# Altium PCB ie-track-kit-pwr-1.PcbDoc (part 1 of 2)
Units mm, origin at the board's own origin, x right, y up, seen from the top; angles counter-clockwise.
Board outline 60.2 x 170.1 mm, 2 copper layers (Top Layer, Bottom Layer), stack 1.571 mm thick; 140 components, 79 nets, 395 pads, 262 vias.
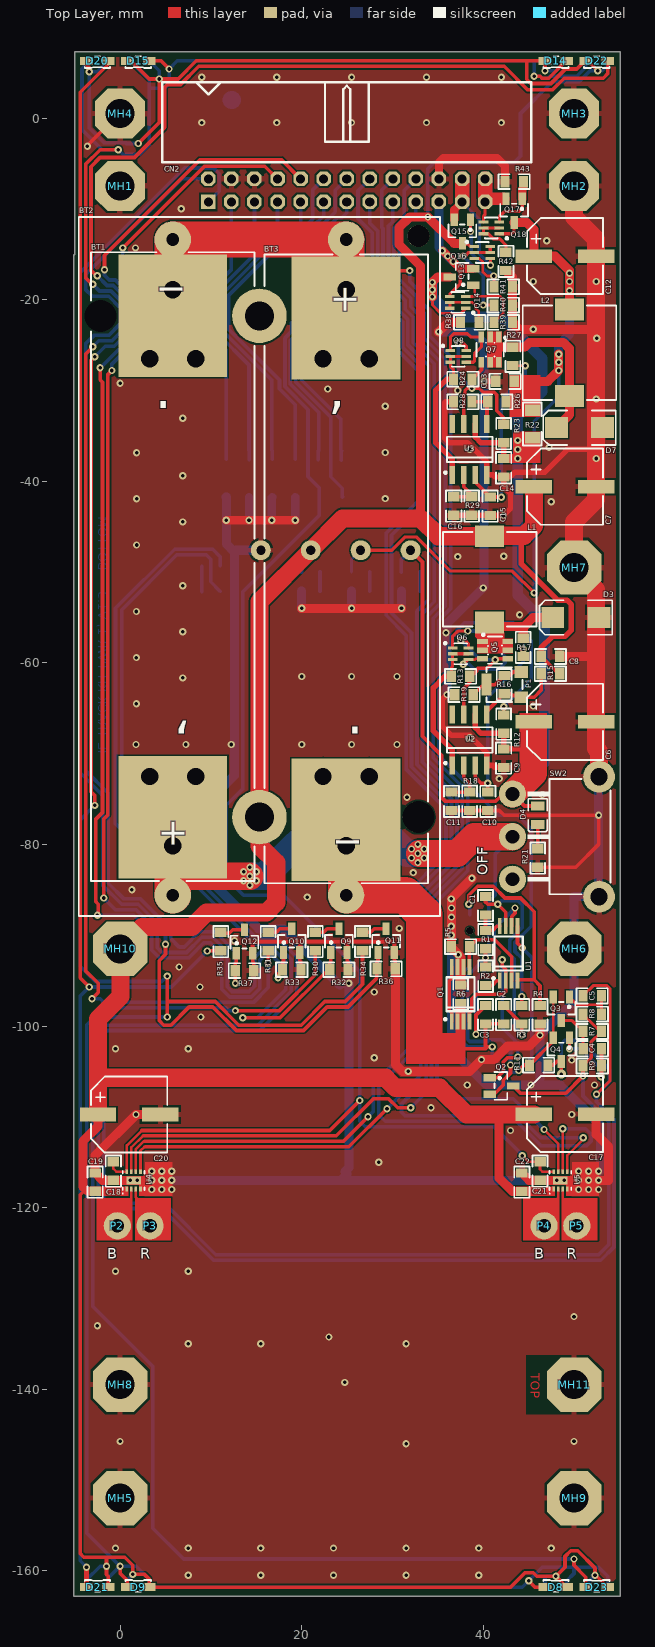
[diagram p0: Top Layer view]
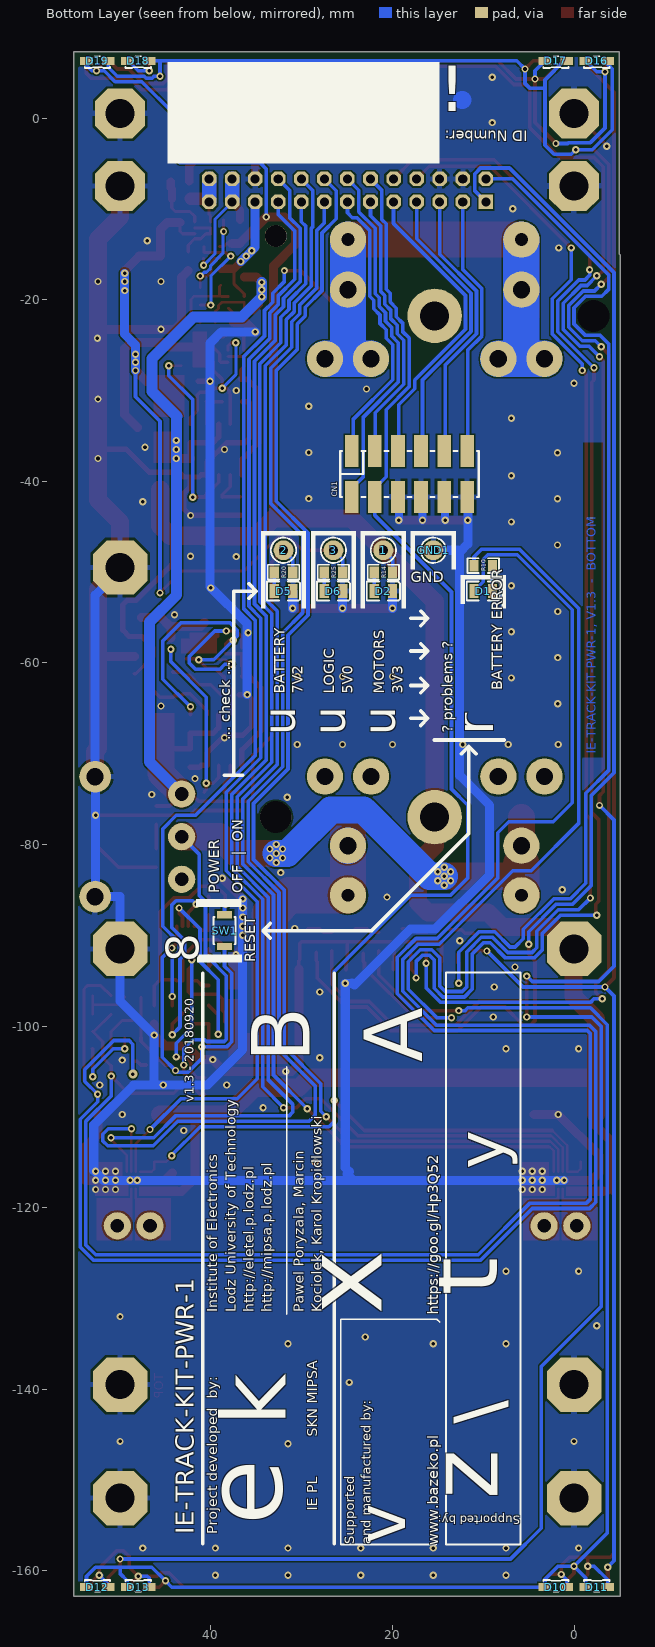
[diagram p1: Bottom Layer view, seen from below]

## Layer stack, top to bottom
Top Solder: solder mask 0.0102, Solder Resist, Dk 3.5
Top Layer: signal copper 0.0356
Dielectric 1: dielectric 1.5, FR-4, Dk 4.8
Bottom Layer: signal copper 0.0356
Bottom Solder: solder mask 0.0102, Solder Resist, Dk 3.5

## Board outline
-5.1,-162.8 55.1,-162.8 55.1,-15.1 55.1,7.3 -5,7.3 -5,-15 -5.1,-15.1

## Design rules (kind name [scope] priority, off if disabled: settings)
Clearance Clearance_1 [OnLayer('Mechanical 3')] p1: gap=0.5 ignorepadtopadclearanceinfootprint=FALSE
Clearance [All] p2: gap=0.2 ignorepadtopadclearanceinfootprint=FALSE
ComponentClearance [All] p1: gap=0.2 collisioncheckmode=3 verticalgap=0.2 showdistances=FALSE
HoleSize [All] p1: absolutevalues=TRUE maxlimit=3.2 minlimit=0.025 maxpercent=80.000 minpercent=20.000
MinimumSolderMaskSliver [All] p1: minsoldermaskwidth=0.2
PolygonConnect [All] p1: thpad.connectstyle=Relief thpad.reliefconductorwidth=0.6 thpad.reliefentries=4 thpad.polygonreliefangle="90 Angle" thpad.airgapwidth=0.254 smdpad.connectstyle=Relief smdpad.reliefconductorwidth=0.6 smdpad.reliefentries=4 smdpad.polygonreliefangle="90 Angle" smdpad.airgapwidth=0.254 via.connectstyle=Direct via.reliefconductorwidth=0.6 via.reliefentries=4 via.polygonreliefangle="90 Angle" via.airgapwidth=0.254
RoomDefinition "[08] - MAIN CONNECTOR" [InComponentClass('[08] - MAIN CONNECTOR')] p1: confinementstyle=ConfineIn formatcopy=TRUE lockcomponents=FALSE outline -26.7,-189.2 77.4,-189.2 77.4,40.1 -26.7,40.1
RoomDefinition "[06] - MOTOR DRIVERS" [InComponentClass('[06] - MOTOR DRIVERS')] p2: confinementstyle=ConfineIn formatcopy=TRUE lockcomponents=FALSE outline -29.9,-191.7 92.6,-191.7 92.6,44.5 -29.9,44.5
RoomDefinition "[05] - POWER" [InComponentClass('[05] - POWER')] p3: confinementstyle=ConfineIn formatcopy=TRUE lockcomponents=FALSE outline -30.5,-193 102.2,-193 102.2,42 -30.5,42
RoomDefinition "[04] - BATTERIES WITH PROTECTION" [InComponentClass('[04] - BATTERIES WITH PROTECTION')] p4: confinementstyle=ConfineIn formatcopy=TRUE lockcomponents=FALSE outline -24.2,-191.1 72.3,-191.1 72.3,41.3 -24.2,41.3
RoomDefinition "[07] - LIGHTS" [InComponentClass('[07] - LIGHTS')] p5: confinementstyle=ConfineIn formatcopy=TRUE lockcomponents=FALSE outline -22.4,-192.3 73.1,-192.3 73.1,36.5 -22.4,36.5
RoutingVias [All] p1: holewidth=0.4 width=1 viastyle="Through Hole" minholewidth=0.3 minwidth=0.6 maxholewidth=0.4 maxwidth=1
SilkToSilkClearance [All] p1: silktosilkclearance=0.1
SilkToSolderMaskClearance [IsPad] p1: minsilkscreentomaskgap=0 clearancetoexposedcopper=TRUE
SolderMaskExpansion [All] p1: expansion=0.102
Width [All] p1: maxlimit=4 minlimit=0.28 preferedwidth=0.6
25 further rules are at their usual default settings.

## Classes and differential pairs
component class "[07] - LIGHTS": CN1 D8 D9 D10 D11 D12 D13 D14 D15 D16 D17 D18 D19 D20 D21 D22 D23 Q9 Q10 Q11 Q12 R30 R31 R32 R33 R34 R35 R36 R37
component class "[05] - POWER": 1 2 3 C6 C7 C8 C9 C10 C11 C12 C13 C14 C15 C16 D2 D3 D4 D5 D6 D7 GND1 L1 L2 P1 Q5 Q6 Q7 Q8 R12 R13 R14 R15 R16 R17 R18 R19 R20 R21 R22 R23 R24 R25 R26 R27 R28 R29 SW2 U2 U3
component class "[04] - BATTERIES WITH PROTECTION": BT1 BT2 BT3 C1 C2 C3 C4 C5 D1 Q1 Q2 Q3 Q4 R1 R2 R3 R4 R5 R6 R7 R8 R9 R10 R11 SW1 U1
component class "[06] - MOTOR DRIVERS": C17 C18 C19 C20 C21 C22 C23 P2 P3 P4 P5 U4 U5
component class "[03] - BLOCK DIAGRAM": MH1 MH2 MH3 MH4 MH5 MH6 MH7 MH8 MH9 MH10 MH11
component class "[08] - MAIN CONNECTOR": CN2 Q13 Q14 Q15 Q16 Q17 Q18 Q? R38 R39 R40 R41 R42 R43

## Components (designator, comment, footprint, x,y, rotation, side; value= is the part's Value field where it differs from the comment)
1 "Keystone 5000 Test Point (RED)" Keystone_5000_RED 21,-47.6 r270 bottom
2 "Keystone 5000 Test Point (RED)" Keystone_5000_RED 32,-47.6 r270 bottom
3 "Keystone 5000 Test Point (RED)" Keystone_5000_RED 26.5,-47.6 r270 bottom
BT1 "18650 (2x KEYSTONE 54 Holder) Battery" KEYSTONE_54_W_18650 5.8,-49.52 r90 top
BT2 "KEYSTONE 1049" KEYSTONE_1049_W_18650 15.35,-49.49 r90 top
BT3 "18650 (2x KEYSTONE 54 Holder) Battery" KEYSTONE_54_W_18650 24.9,-49.52 r270 top
C1 "220nF" C0805 40.25,-86.75 r270 top
C2 "220nF" C0805 42.25,-98.75 r90 top
C3 "220nF" C0805 40.25,-98.75 r90 top
C4 "22u/10V" C0805 52.016,-102.5 r0 top
C5 "1u/25V" C0805 52,-96.675 r180 top
C6 "220uF/16V" CES_E_8.3x8.3_6.2 49,-66.5 r90 top
C7 "220uF/16V" CES_E_8.3x8.3_6.2 49,-40.6 r90 top
C8 "100n/50V" C0805 47.4,-59.3 r180 top
C9 "1u/16V" C0805 42.25,-70.5 r90 top
C10 "2,2n/50V" C0805 40.5,-75.25 r90 top
C11 "6,8n/50V" C0805 36.5,-75.25 r90 top
C12 "220uF/16V" CES_E_8.3x8.3_6.2 49,-15.2 r90 top
C13 "100n/50V" C0805 42.4,-29 r0 top
C14 "1u/16V" C0805 42.25,-38.516 r90 top
C15 "2,2n/50V" C0805 40.75,-42.75 r90 top
C16 "6,8n/50V" C0805 36.75,-42.734 r90 top
C17 "220uF/16V" CES_E_8.3x8.3_6.2 49,-109.7 r90 top locked
C18 "100nF" C0805 -0.75,-115.975 r90 top locked
C19 "100nF" C0805 -2.75,-117.191 r270 top locked
C20 "220uF/16V" CES_E_8.3x8.3_6.2 1,-109.75 r90 top locked
C21 "100nF" C0805 46.25,-115.975 r90 top locked
C22 "100nF" C0805 44.25,-117.2 r270 top locked
CN1 "QTR-8RC_DIRECT" QTR-8RC_SNAPPED_GOLDPIN_VERTICAL 25,-39.3 r0 top
CN2 "IDC Connector" IDC26_RA_LONG_W_CN 24.96,-7.97 r0 top locked
D1 "RED" LED0805R 10,-52.1 r180 bottom
D2 "LED_YELLOW" LED0805Y 21,-52.1 r180 bottom
D3 "MBRS140T3G" SMB 50.2,-55 r180 top
D4 "RED" LED0805R 46,-76.784 r270 top
D5 "RED" LED0805R 32,-52.1 r180 bottom
D6 "GREEN" LED0805G 26.5,-52.1 r180 bottom
D7 "MBRS140T3G" SMB 50.6,-34.1 r180 top
D8 "KA-2810ASURSK" LED2810 48,-161.4 r180 top locked
D9 "KA-2810ASURSK" LED2810 2,-161.4 r180 top locked
D10 "KA-2810ASURSK" LED2810 2,-161.4 r0 bottom locked
D11 "KA-2810ASURSK" LED2810 -2.5,-161.4 r0 bottom locked
D12 "KA-2810ASURSK" LED2810 52.5,-161.4 r0 bottom locked
D13 "KA-2810ASURSK" LED2810 48,-161.4 r0 bottom locked
D14 "LTW-108DCG-HS10" LED2810 48,5.9 r0 top
D15 "LTW-108DCG-HS10" LED2810 2,5.9 r0 top
D16 "LTW-108DCG-HS10" LED2810 -2.5,5.9 r180 bottom
D17 "LTW-108DCG-HS10" LED2810 2,5.9 r180 bottom
D18 "LTW-108DCG-HS10" LED2810 48,5.9 r180 bottom
D19 "LTW-108DCG-HS10" LED2810 52.5,5.9 r180 bottom
D20 "KA-2810ASESK" LED2810 -2.5,5.9 r0 top
D21 "KA-2810ASESK" LED2810 -2.5,-161.4 r180 top locked
D22 "KA-2810ASESK" LED2810 52.5,5.9 r0 top
D23 "KA-2810ASESK" LED2810 52.5,-161.4 r180 top locked
GND1 "Keystone 5001 Test Point (BLACK)" Keystone_5001_BLACK 15.5,-47.6 r270 bottom
L1 "10uH, 3,45A" PSDB1005 40.7,-50.8 r90 top
L2 "10uH, 3,45A" PSDB1005 49.5,-25.85 r90 top
MH1 "MHOLE 3mm" "3mm screw drill I"#1 0,-7.5 r0 top
MH2 "MHOLE 3mm" "3mm screw drill I"#1 50,-7.5 r0 top
MH3 "MHOLE 3mm" "3mm screw drill I"#1 50,0.5 r0 top
MH4 "MHOLE 3mm" "3mm screw drill I"#2 0,3 r0 top
MH5 "MHOLE 3mm" "3mm screw drill I"#3 0,-152 r0 top
MH6 "MHOLE 3mm" "3mm screw drill I"#3 50,-91.5 r0 top
MH7 "MHOLE 3mm" "3mm screw drill I"#3 50,-49.5 r0 top
MH8 "MHOLE 3mm" "3mm screw drill I"#3 0,-139.5 r0 top
MH9 "MHOLE 3mm" "3mm screw drill I"#3 50,-152 r0 top
MH10 "MHOLE 3mm" "3mm screw drill I"#3 0,-91.5 r0 top
MH11 "MHOLE 3mm" "3mm screw drill I"#3 50,-139.5 r0 top
P1 "10k" 3364W 42.4,-62.4 r90 top
P2 "CablePAD" PADTHT1.5x3mm -0.3,-122 r0 top
P3 "CablePAD" PADTHT1.5x3mm 3.3,-122 r0 top locked
P4 "CablePAD" PADTHT1.5x3mm 46.7,-122 r0 top locked
P5 "CablePAD" PADTHT1.5x3mm 50.3,-122 r0 top locked
Q1 "AO8810" TSSOP8 37.5,-96.5 r180 top
Q2 "IRLML6402" SOT-23 42,-106.6 r270 top
Q3 "BC847B" SOT-23 48.6,-98.1 r180 top
Q4 "BC847B" SOT-23 48.6,-102.6 r180 top
Q5 "AO6401A" SOT-23-6 41.3,-58.6 r270 top
Q6 "BC847BPN" "SOT-323-6 (SOT-363, SC88, SC70-6)" 37.5,-59 r270 top
Q7 "AO6401A" SOT-23-6 40.75,-25.5 r180 top
Q8 "BC847BPN" "SOT-323-6 (SOT-363, SC88, SC70-6)" 37.25,-26.25 r270 top
Q9 "IRLML0040TRPBF" SOT-23 24.1,-90.6 r0 top
Q10 "IRLML0040TRPBF" SOT-23 18.9,-90.6 r0 top
Q11 "IRLML0040TRPBF" SOT-23 29.3,-90.6 r0 top
Q12 "IRLML0040TRPBF" SOT-23 13.7,-90.7 r0 top
Q13 "IRLML6402" SOT-23 37.6,-17.5 r90 top
Q14 "BC857BS" "SOT-323-6 (SOT-363, SC88, SC70-6)" 37.2,-20.3 r90 top
Q15 "IRLML6402" SOT-23 37.7,-12.5 r180 top
Q16 "BC857BS" "SOT-323-6 (SOT-363, SC88, SC70-6)" 39.9,-14.8 r270 top
Q17 "IRLML6402" SOT-23 43.4,-10.2 r180 top
Q18 "BC857BS" "SOT-323-6 (SOT-363, SC88, SC70-6)" 40.9,-12.1 r90 top
R1 "1k" R0805 40.25,-90.484 r90 top
R2 "1k" R0805 40.25,-94.516 r90 top
R3 "1k" R0805 44.25,-98.75 r270 top
R4 "1k" R0805 46.25,-98.75 r270 top
R5 "4M7" R0805 37.5,-91.25 r180 top
R6 "0R" R0805 37.5,-96.5 r270 top
R7 "4k7" R0805 52,-100.6 r180 top
R8 "560k" R0805 52,-98.7 r0 top
R9 "100k" R0805 52,-104.4 r0 top
R10 "470" R0805 10,-49.3 r0 bottom
R11 "0R" R0805 46.1,-104.3 r0 top
R12 "0R050" R0805 42.25,-66.75 r90 top
R13 "1k" R0805 37.5,-61.5 r180 top
R14 "150R" R0805 21,-50 r0 bottom
R15 "2k7 1%" R0805 47.4,-61.2 r0 top
R16 "0R 1%" R0805 42.3,-62.4 r90 top
R17 "22k" R0805 44.4,-58.3 r270 top
R18 "1k" R0805 38.5,-75.25 r270 top
R19 "2k32 1%" R0805 37.884,-63.5 r180 top
R20 "1k" R0805 32,-50 r0 bottom
R21 "1k" R0805 46,-81.5 r270 top
R22 "0R" R1206 45.4,-33.7 r90 top
R23 "0R050" R0805 42.25,-34.75 r90 top
R24 "1k" R0805 37.75,-28.75 r180 top
R25 "560R" R0805 26.5,-50 r0 bottom
R26 "3k0 1%" R0805 41.5,-31.25 r0 top
R27 "22k" R0805 43.25,-26.25 r270 top
R28 "1k 1%" R0805 37.75,-31.25 r180 top
R29 "1k" R0805 38.734,-42.734 r270 top
R30 "56R" R0805 21.5,-90.7 r90 top
R31 "0R" R0805 16.3,-90.7 r90 top
R32 "10k" R0805 24.1,-93.8 r0 top
R33 "10k" R0805 18.9,-93.8 r0 top
R34 "56R" R0805 26.7,-90.7 r90 top
R35 "56R" R0805 11.1,-90.7 r90 top
R36 "10k" R0805 29.3,-93.7 r0 top
R37 "10k" R0805 13.7,-93.9 r0 top
R38 "10k" R0805 38.5,-22.5 r0 top
R39 "47k" R0805 42.2,-22.5 r180 top
R40 "10k" R0805 42.2,-20.6 r180 top
R41 "47k" R0805 42.2,-18.6 r180 top
R42 "10k" R0805 42.5,-15.784 r90 top
R43 "47k" R0805 43.4,-7 r0 top
SW1 "B3U-1000PM-B" B3U-1000PM-B 38.5,-89.5 r270 bottom
SW2 "SL19123" 500SSPXS1M6XEA 43.22,-79.145 r90 top locked
U1 "S-8232" TSSOP8 42.8,-92 r180 top
U2 "NCP3063BDR2G" SO8 38.5,-68.5 r0 top
U3 "NCP3063BDR2G" SO8 38.5,-36.5 r0 top
U4 "DRV8838" "WSON8 (DSG8-1600X900TP)" 1.5,-117 r90 top locked
U5 "DRV8838" "WSON8 (DSG8-1600X900TP)" 48.5,-117 r90 top locked

## Footprints (in the part's own frame and the unit in brackets; to place one, negate y for a bottom-side part, rotate by r counter-clockwise, add the part's x,y. Pads: shape width x height; smd on the part's side, far side on the other; paste and mask are expansions set on the pad)
"3mm screw drill I"#1 [mm]
  oct 5.5x5.5 hole 3.2: 1(0,0)
"3mm screw drill I"#2 [mm]
  oct 5.5x5.5 hole 3.2: 1(0,-2.5)
"3mm screw drill I"#3 [mm]
  oct 6x6 hole 3.2: 1(0,0)
  body extent -2.75,9.75 2.75,15.25, height 4.2
500SSPXS1M6XEA [mm] "E-Switch 500 Series Miniature Slide Switche (TME: Canal Electronic, SL19123)"
  round 3 hole 1.5: 1(-4.7,0) 2(0,0) 3(4.7,0)
  round 3.5 hole 1.9: M(-6.605,-9.53) M(6.605,-9.53)
  silkscreen extent -6.35,-10.79 6.35,-1.65, body extent -6.78,-15.49 6.79,0.7, height 6.8
3364W [mm] "Bourns 3364W SMT open frame cermet trimmer"
  rect 1.3x1.5 smd: 1(-1.397,-1.778) 2(1.397,-1.778)
  rect 2.4x1.1 smd: 3(0,2.032)
  silkscreen extent -1.91,-1.91 1.91,2.03, body extent -1.9,-2.23 1.9,2.27, height 1.01
B3U-1000PM-B [mm] "OMRON Ultra-small Tactile Switch B2U Series"
  rect 0.8x1.7 smd: 1(-1.75,0) 2(1.75,0)
  round 0.8 hole 0.8: M0(0,0)
  silkscreen extent -1.5,-1.2 1.5,1.2, body extent -2,-1.25 2,1.25, height 1.6
C0805 [mil]
  rect 40x50 smd: 1(-40,0) 2(40,0)
  silkscreen extent -68,-33 68,33, body extent -39,-25 39,25, height 31
CES_E_8.3x8.3_6.2 [mm] "SMT Aluminum Electrolytic Capacitor, E Size; base: 8.3x8.3mm, height: 6.2mm"
  rect 1.5x4 smd: 1(0,3.429) 2(0,-3.429)
  silkscreen extent -4.19,-4.19 4.19,4.19, body extent -4.15,-4.5 4.15,4.5, height 6.2
IDC26_RA_LONG_W_CN [mm] "2.54mm, 26 Pin IDC Male Connector, Right Angle"
  rect 1.6x1.6 hole 1: 1(-15.24,-1.27)
  oct 1.6x1.6 hole 1: 2(-15.24,1.27) 3(-12.7,-1.27) 4(-12.7,1.27) 5(-10.16,-1.27) 6(-10.16,1.27) 7(-7.62,-1.27) 8(-7.62,1.27) 9(-5.08,-1.27) 10(-5.08,1.27) 11(-2.54,-1.27) 12(-2.54,1.27) 13(0,-1.27) 14(0,1.27) 15(2.54,-1.27) 16(2.54,1.27) 17(5.08,-1.27) 18(5.08,1.27) 19(7.62,-1.27) 20(7.62,1.27) 21(10.16,-1.27) 22(10.16,1.27) 23(12.7,-1.27) 24(12.7,1.27) 25(15.24,-1.27) 26(15.24,1.27)
  silkscreen extent -20.32,3.1 20.32,11.9, body extent -20.37,-1.64 20.31,21.3, height 9.13
KEYSTONE_54_W_18650 [mm]
  round 4 hole 1.9: 1(-30.62,0) 1(-23,-2.54) 1(-23,2.54) 2(23,-2.54) 2(23,2.54) 2(30.62,0)
  rect 13.5x12 smd: 1(-27.5,0) 2(27.75,0)
  silkscreen extent -34.5,-9 34.75,9, body extent -34.2,-9.05 34.2,9.09, height 19.3
KEYSTONE_1049_W_18650 [mm] "THT double 18650 LiPo Holder"
  round 4 hole 1.4: 1(-36.11,9.55) 2(36.11,9.55) 3(-36.11,-9.55) 4(36.11,-9.55)
  round 6 hole 3.2: M1(-27.5,0) M2(27.7,0)
  round 3.45 hole 3.5: M3(-27.5,-17.505) M4(27.7,17.5)
  round 2.4 hole 2.4: M5(36.5,-17.505)
  silkscreen extent -38.4,-19.9 38.6,19.9, body extent -38.4,-19.89 38.66,19.89, height 18
Keystone_5000_RED [mm] "Red Keystone Electronics 5000 Test Point"
  round 2.2 hole 1: 0(0,0)
  silkscreen extent -1.4,-1.4 1.4,1.39, body extent -1.27,-1.27 1.27,1.27, height 4.57
Keystone_5001_BLACK [mm] "Black Keystone Electronics 5001 Test Point"
  round 2.2 hole 1: 0(0,0)
  silkscreen extent -1.4,-1.4 1.4,1.39, body extent -1.27,-1.27 1.27,1.27, height 4.57
LED0805G [mil]
  rect 40x60 smd: 1(-40,0) 2(40,0)
  silkscreen extent -72,-41 72,41, body extent -40,-25 40,25, height 43
LED0805R [mil]
  rect 40x60 smd: 1(-40,0) 2(40,0)
  silkscreen extent -72,-41 72,41, body extent -40,-25 40,25, height 43
LED0805Y [mil]
  rect 40x60 smd: 1(-40,0) 2(40,0)
  silkscreen extent -72,-41 72,41, body extent -40,-25 40,25, height 43
LED2810 [mm] "SMD 2810 LED case (for e.g. Kingbright KA-2810 series)"
  rect 1.4x0.86 smd: 1(1.2,0.4) 2(-1.2,0.4)
  silkscreen extent -1.4,-0.4 1.4,0.9, body extent -1.4,-0.4 1.4,0.9, height 0.8
PADTHT1.5x3mm [mm]
  round 3 hole 1.5: 0(0,0)
PSDB1005 [mm] "PSDB Series Shielded SMD Power Inductor"
  rect 2.4x3.2 smd: 1(-4.75,0) 2(4.75,0)
  silkscreen extent -5.2,-5.15 5.2,5.15, body extent -5.2,-5.2 5.2,5.2, height 4.85
QTR-8RC_SNAPPED_GOLDPIN_VERTICAL [mm] "QTR-8RC Reflectance Sensor Array"
  rect 1.5x3.5 smd far side: 1(-0.525,2.64) 2(-3.065,2.64) 3(-5.605,2.64) 4(-8.145,2.64) 5(-10.685,2.64) 6(-13.225,2.64) GND(-13.225,-2.44) GND(-10.685,-2.44) GND(-8.145,-2.44) GND(-5.605,-2.44) LEDON(-0.525,-2.44) VCC(-3.065,-2.44)
  body extent -27.82,-3.42 27.77,11.05, height 15.33
R0805 [mil]
  rect 40x50 smd: 1(-40,0) 2(40,0)
  silkscreen extent -68,-32 68,32, body extent -39,-25 39,25, height 31
R1206 [mil]
  rect 50x65 smd: 1(-60,0) 2(60,0)
  silkscreen extent -93,-40 93,40, body extent -63,-31 63,32, height 39
SMB [mm]
  rect 2.5x2.3 smd: 1(-2.54,0) 2(2.54,0)
  silkscreen extent -4,-1.9 4,1.9, body extent -2.7,-1.8 2.7,1.8, height 2.3
SO8 [mm] "Small Outline; 8 Leads; Body Width 3.7 mm; Pitch 1.27 mm"
  rect 0.6x2 smd: 1(-1.905,-2.794) 2(-0.635,-2.794) 3(0.635,-2.794) 4(1.905,-2.794) 5(1.905,2.794) 6(0.635,2.794) 7(-0.635,2.794) 8(-1.905,2.794)
  silkscreen extent -2.79,-2.66 2.5,1.4, body extent -2.4,-2.9 2.4,2.9, height 1.75
SOT-23 [mm]
  rect 0.8x1.4 smd: 1(-0.9,-1.3) 2(0.9,-1.3) 3(0,1.3)
  silkscreen extent -1.52,-0.76 1.52,0.64, body extent -1.46,-1.25 1.46,1.23, height 1
SOT-23-6 [mm] "SOT23-6, AKA: SOT-26 (Diodes), SuperSOT-6 (Fairchild), SOT753 (NXP), TSOP5 (NXP)"
  rect 0.6x1.2 smd mask+0.07: 1(-0.95,-1.4) 2(0,-1.4) 3(0.95,-1.4) 4(0.95,1.4) 5(0,1.4) 6(-0.95,1.4)
  silkscreen extent -1.82,-1.42 1.5,0.76, body extent -1.4,-1.21 1.4,1.21, height 1.09
"SOT-323-6 (SOT-363, SC88, SC70-6)" [mm] "SOT-363; 6 Leads; Body 2.2 x 2.2 mm, inc. leads (LxW max)"
  rect 0.35x1.05 smd: 1(-0.65,-0.875) 2(0,-0.875) 3(0.65,-0.875) 4(0.65,0.875) 5(0,0.875) 6(-0.65,0.875)
  silkscreen extent -1.27,-1.82 1.15,0.7, body extent -1.05,-1.15 1.05,1.15, height 1
TSSOP8 [mm] "JEDEC MO-153 AA (TSSOP-8)"
  rect 0.42x1.78 smd: 1(0.975,3) 2(0.325,3) 3(-0.325,3) 4(-0.975,3) 5(-0.975,-3) 6(-0.325,-3) 7(0.325,-3) 8(0.975,-3)
  silkscreen extent -1.55,-1.88 1.8,2.87, body extent -1.5,-3.23 1.5,3.23, height 1.2
"WSON8 (DSG8-1600X900TP)" [mm] "SON, 8-Leads, Body 2x2mm, Pitch 0.5mm, Thermal Pad 1.6x0.9mm, TI Recommended"
  rect 0.5x0.28 smd paste-0.14 mask+0.07: 1(-0.95,0.75) 2(-0.95,0.25) 3(-0.95,-0.25) 4(-0.95,-0.75) 5(0.95,-0.75) 6(0.95,-0.25) 7(0.95,0.25) 8(0.95,0.75)
  rect 0.9x1.6 smd paste-0.45 mask+0.07: 9(0,0)
  silkscreen extent -1.5,-1.2 1.05,1.25, body extent -1.05,-1.05 1.05,1.05, height 0.8

## Part data
1 2 3: library part "Keystone 5000 Test Point"
BT1 BT3: library part 18650, Published=24-Mar-1999, Publisher="Altium Limited", Revision="July-2002: Re-released for DXP Platform."
BT2: library part "Keystone 1049", "2x 18650 LiPo Acu in the KEYSTONE 1049 Holder", Published=14-Sep-2006
C1 C2 C3 C4 C5 C8 C9 C10 C11 C13 C14 C15 C16 C18 C19 C21 C22: library part Cap, "Capacitor", ComponentLink1Description=datasheet, ComponentLink2Description=supplier
C6 C7 C12 C17 C20: library part "Cap Pol", "Polarized Capacitor", ComponentLink1Description=datasheet, ComponentLink2Description=supplier
CN1: "QTR-8RC Reflectance Sensor Array (Pololu item No. 961)", Published=14-Sep-2006
CN2: library part CN_13x2
D1 D4 D5: library part LED_RED, "RED LED", Published=04-Apr-2006
D2: "YELLOW LED", Published=04-Apr-2006
D3 D7: "Schottky barrier rectifier: 40V, 1A", PackageReference=SMB, Published=22-Nov-2006, Supplier 1=TME, Supplier 2=Farnell, Supplier Part Number 1=MBRS140T3G, Supplier Part Number 2=1467526
D6: library part LED_GREEN, "GREEN LED", Published=04-Apr-2006
GND1: library part "Keystone 5001 Test Point"
L1 L2: library part PSDB1005NT100, "10uH, 20%, 3,45A, PSDB1005N Series Inductor", ComponentLink1Description=datasheet, ComponentLink2Description=supplier, Published=08-Mar-2006, Supplier 1=TME, Supplier Part Number 1=PSDB1005NT100
MH1 MH2 MH3 MH4 MH5 MH6 MH7 MH8 MH9 MH10 MH11: library part MHOLE_3MM, "3mm Mounting Hole"
P1: library part 3364W-1-103E, "3364W-1-103E", ComponentLink1Description=datasheet, ComponentLink2Description=supplier, Published=21-10-2009
P2 P3 P4 P5: "Cable/Wire Soldering PAD", Published=14-Sep-2006
Q1: "Dual Common Drain N-Channel MOSFET: Vds=20V, Rdson<20mR@4,5V, Id=7A", Package Reference="TSOP6 (SOT23-6)", Published=20-Mar-2006, Supplier 1=TME, Supplier Part Number 1=AO8810
Q2 Q13 Q15 Q17: "P-Channel; -20V, -3.7A, 1.3W; HEXFET Power MOS-FET"
Q3 Q4: "NPN General Purpose Transistor (VCE=45V, IC=100mA, HFE=200-450)", PowerRating=250mW, Supplier Part Number 1=BC847B.215, HFE=200-450, IC=100mA, Supplier 1=TME, Supplier 2=TME, Supplier 3=TME, Supplier 4=Farnell, Supplier 5=Farnell, Supplier 6=Farnell, Supplier 7=Farnell, Supplier 8=Farnell, Supplier 9=Farnell, Supplier Part Number 2=BC847B-DIO, Supplier Part Number 3=BC847B.235, Supplier Part Number 4=1562449, Supplier Part Number 5=1081232, Supplier Part Number 6=1081232RL, Supplier Part Number 7=1773608RL, Supplier Part Number 8=2336781, Supplier Part Number 9=1574343, VCEO=45V
Q5 Q7: "P-Channel MOSFET; -60V, -5A, 1.3W;", Supplier 1=TME, Supplier Part Number 1=AO6401A
Q6 Q8: "PNP/NPN General Purpose Transistor (VCE=45V, IC=100mA)", Supplier Part Number 1=BC847BPN.115, Supplier 1=TME, Supplier 2=Farnell, Supplier 3=Farnell, Supplier 4=Farnell, Supplier Part Number 2=2336824, Supplier Part Number 3=1081233RL, Supplier Part Number 4=1081233
Q9 Q10 Q11 Q12: "N-Channel; 40V, 3.6A, 1,25W; HEXFET Power MOS-FET", Supplier Part Number 1=1831088RL, Supplier 1=Farnell, Supplier 2=TME, Supplier 3=Farnell, Supplier 4=Farnell, Supplier Part Number 2=IRLML0040TRPBF, Supplier Part Number 3=1829136, Supplier Part Number 4=1831088
Q14 Q16 Q18: "2xPNP General Purpose Transistor (VCE=-45V, IC=-100mA)"
R1 R2 R3 R4 R5 R6 R7 R8 R9 R10 R11 R12 R13 R14 R15 R16 R17 R18 R19 R20 R21 R22 R23 R24 R25 R26 R27 R28 R29 R30 R31 R32 R33 R34 R35 R36 R37 R38 R39 R40 R41 R42 R43: library part Res, "Resistor", ComponentLink1Description=datasheet, ComponentLink2Description=supplier, Published=19-Feb-2006
SW1: "OMRON Ultra-small Tactile Switch - 12V/50mA"
SW2: "Canal Electronic SPDT AC: 3A/250V, DC: 6A/28V", Supplier 1=TME, Supplier Part Number 1=SL19123
U1: "Battery Protection IC For 2-Serial-Cell Pack"
U2 U3: "DC-DC Converter NCP3063BDR2G (Farnell 1547126)", Supplier Part Number 1=1547126, PackageReference=SO8, Published=22-Nov-2006, Supplier 1=Farnell, Supplier 2=Farnell, Supplier 3=Farnell, Supplier Part Number 2=2126136, Supplier Part Number 3=1547126RL
U4 U5: "Low-Voltage H-Bridge Driver", Supplier Part Number 1=2420232, Published=14-Sep-2006, Supplier 1=Farnell, Supplier 2=Farnell, Supplier Part Number 2=2542736
D8 D9 D10 D11 D12 D13 D14 D15 D16 D17 D18 D19 D20 D21 D22 D23: Published=04-Apr-2006

## Via types
v1: diameter 0.8, hole 0.4, Top Layer to Bottom Layer, tented both sides, 261 vias
v2: diameter 1, hole 0.4, Top Layer to Bottom Layer, tented both sides, 1 vias

## Nets (pads, with @x,y where several pads share a name; then routed paths per layer and width w, separated by ;. In a path a pad name is that pad's centre, name@x,y a point inside that pad or via, vN(x,y) a via of type N, cw(c..) or ccw(c..) an arc to the next point about the centre after c; other vN are vias at no path point)
5V0: 3.0 C12.1 C13.2 L2.2 Q17.3 Q18.1 R22.2 R25.1 R26.2 | length 86.1
  Top Layer w0.35: 3.0@26.5,-47.6 29.914,-47.6 31.389,-46.125 32.611,-46.125 36.386,-49.9 43.2,-49.9 v1(45.6,-52.3) ; Q18.1@41.775,-12.75 43.121,-12.75 43.4,-12.471 Q17.3@43.4,-11.5
  Top Layer w1: Q17.3@43.4,-11.5 44.8,-11.5 45.571,-12.271 C12.1@45.571,-15.2 47.9,-15.2 49.5,-16.8 v1(49.5,-17.1) v1(49.5,-18) v1(49.5,-19) L2.2@49.5,-21.1 ; C13.2@43.416,-29 47.1,-29 v1(48.3,-27.8) v1(48.3,-26.9) v1(48.3,-26)
  Bottom Layer w0.35: R25.1@25.484,-50 25.484,-48.616 3.0@26.5,-47.6
  Bottom Layer w0.4: v1(45.6,-52.3) 45.6,-33.4 48.3,-30.7 v1(48.3,-27.8)
  Bottom Layer w1: v1(48.3,-27.8) v1(48.3,-26.9) v1(48.3,-26) 48.3,-25 49.5,-23.8 v1(49.5,-19) v1(49.5,-18) v1(49.5,-17.1)
7V2: BT1.1 BT2.1 Q2.2 R1.1 R2.2 SW2.2 | length 90.7
  Top Layer w0.4: R2.2@40,-93.25 R2.2@40.25,-93.5 v1(40.25,-92.5) R1.1@40.25,-91.5 R1.1@40,-91.75 ; Q2.2@40.7,-107.5 41.2,-107.5 42.2,-106.5 42.2,-105.984 43,-105.184 v1(43,-104.3)
  Top Layer w3: BT1.1@5.8,-77.02 BT1.1@5.8,-80.14 5.8,-82.2 7.1,-83.5 v1(14.3,-83.5) ; v1@33,-81 37.145,-81 39,-79.145 SW2.2@43.22,-79.145
  Top Layer w4: BT2.1@5.8,-85.6 BT1.1@5.8,-82.2
  Bottom Layer w0.4: v1(43,-104.3) 43,-102.5 42,-101.5 40.669,-101.5 40.469,-101.7 38.527,-101.7 38.3,-101.473 38.3,-94.45 v1(40.25,-92.5) 40.6,-92.15 40.6,-86.3 41.3,-85.6 41.3,-81.065 SW2.2@43.22,-79.145
  Bottom Layer w3: v1(14.3,-83.5) 15.9,-83.5 23.18,-76.22 26.82,-76.22 31.6,-81 v1(32.8,-81)
  other v1: 14.3,-84.5 13.6,-84 15,-84 13.6,-83 15,-83 14.3,-82.5 32.8,-82 32.1,-81.5 33.5,-81.5 32.1,-80.5 33.5,-80.5 32.8,-80
7V2_SW: 2.0 C6.1 C9.2 C14.2 D4.1 Q13.3 Q14.1 R12.1 R20.1 R22.1 R23.1 SW2.3 U2.6 U3.6 | length 147.1
  Top Layer w0.3: v1(34.4,-19.7) 34.4,-20.6 35.3,-21.5 37.525,-21.5 Q14.1@38.075,-20.95
  Top Layer w0.4: 2.0@32,-47.6 33.3,-48.9 33.3,-68.1 35.4,-70.2 35.4,-74.843 35.782,-75.225 41.375,-75.225 41.8,-74.8 42.865,-74.8 SW2.3@43.22,-74.445 44.543,-75.768 D4.1@46,-75.768
  Top Layer w0.6: U2.6@39.135,-65.706 39.135,-67.135 39.766,-67.766 R12.1@42.25,-67.766 C9.2@42.25,-69.484 44.766,-69.484 45.5,-68.75 ; U3.6@39.135,-33.706 39.135,-35.135 39.766,-35.766 R23.1@42.25,-35.766 C14.2@42.25,-37.5 ; v1(43.8,-37.5) v1@43.8,-37.3
  Top Layer w1: v1(34.4,-19.7) v1(34.4,-18.9) v1(34.4,-18.1) 35,-17.5 Q13.3@36.3,-17.5 ; C14.2@42.25,-37.5 v1(43.8,-37.5) ; v1@43.8,-37.3 v1(43.8,-36.5) v1(43.8,-35.5)
  Top Layer w3: SW2.3@43.22,-74.445 45.5,-72.165 45.5,-68.75
  Bottom Layer w0.4: R20.1@30.984,-50 30.984,-48.616 2.0@32,-47.6
  Bottom Layer w1.2: v1(34.4,-18.1) 34.4,-18.7 v1(34.4,-18.9) v1(34.4,-19.7) 36.6,-21.9 41.9,-21.9 46.5,-26.5 46.5,-30.1 43.75,-32.85 43.8,-32.9 v1(43.8,-35.5) v1(43.8,-36.5) v1(43.8,-37.5) 43.8,-52.55 46.75,-55.5 46.75,-70.915 SW2.3@43.22,-74.445
EN_LEFT: CN2.18 U4.5 | length 141.4
  Top Layer w0.28: U4.5@2.25,-116.05 2.25,-113.729 2.679,-113.3
  Top Layer w0.4: 2.796,-113.3 25.1,-113.3 25.2,-113.3 v1(29.4,-109.1)
  Bottom Layer w0.4: v1(29.4,-109.1) 33.1,-105.4 33.1,-85.554 36.5,-82.154 36.5,-74.994 32.7,-71.194 32.7,-54.3 34,-53 34,-27.294 31.7,-24.994 31.7,-22.194 30.8,-21.294 30.8,-20.346 28.96,-18.506 28.96,-12.16 28.8,-12 28.8,-7.94 CN2.18@30.04,-6.7
EN_RIGHT: CN2.17 U5.5 | length 132.8
  Top Layer w0.28: U5.5@49.25,-116.05 49.25,-114.25 51,-112.5 v1(51,-112.3)
  Bottom Layer w0.4: CN2.17@30.04,-9.24 30.04,-11.411 29.56,-11.891 29.56,-18.257 31.4,-20.097 31.4,-21.046 32.3,-21.946 32.3,-24.746 34.6,-27.046 34.6,-53.282 33.3,-54.582 33.3,-70.946 37.1,-74.746 37.1,-82.403 33.7,-85.803 33.7,-105.9 31,-108.6 31,-109.5 31.4,-109.9 43.9,-109.9 46.3,-112.3 v1(51,-112.3)
FB_3V3: P1.1 R15.1 R16.1 U2.5 | length 9.5
  Top Layer w0.4: U2.5@40.405,-65.706 40.405,-65.311 R16.1@42.3,-63.416 43.016,-63.416 43.2,-63.6 43.981,-63.6 P1.1@44.178,-63.797 45.603,-63.797 46.4,-63 46.384,-62.984 R15.1@46.384,-61.2
FB_5V0: R26.1 R28.1 U3.5 | length 4.2
  Top Layer w0.4: R28.1@38.766,-31.25 R26.1@40.484,-31.25 40.405,-31.329 U3.5@40.405,-33.706
GND: C6.2 C7.2 C8.1 C9.1 C10.1 C11.1 C12.2 C13.1 C14.1 C15.1 C16.1 C17.2 C18.1 C19.1 C20.2 C21.1 C22.1 CN1.GND CN2.4 CN2.6 CN2.22 D2.2 D3.1 D5.2 D6.2 D7.1 GND1.0 MH1.1 MH2.1 MH3.1 MH4.1 MH5.1 MH6.1 MH7.1 MH8.1 MH9.1 MH11.1 Q1.6 Q1.7 Q9.2 Q10.2 Q11.2 Q12.2 R4.2 R5.2 R6.1 R18.2 R19.2 R21.2 R28.2 R29.2 R32.2 R33.2 R36.2 R37.2 R38.1 R39.1 R40.1 R41.1 R42.1 R43.1 SW2.M U2.4 U3.4 U4.4 U4.9 U5.4 U5.9 | length 614
  Top Layer w0.28: U4.9@2,-117 2.25,-117.25 U4.4@2.25,-117.95 ; 2.5,-117 2.585,-117.164 ; U5.4@49.25,-117.95 U5.9@49.25,-117.25
  Top Layer w0.4: v1(-3.6,-3.1) -3.6,-3 -0.1,0.5 MH4.1@0,0.5 ; MH5.1@-0.896,-151.42 MH5.1@-0.3,-150.5 ; Q12.2@14.6,-92.1 14.6,-92.9 14.716,-93.016 R37.2@14.716,-93.9 ; Q12.2@14.6,-92 14.6,-90.9 14.8,-90.7 19.8,-90.7 ; Q10.2@19.8,-92 19.8,-92.8 19.916,-92.916 R33.2@19.916,-93.8 ; Q10.2@19.8,-91.9 19.8,-90.7 ; Q9.2@25,-92 25,-92.8 25.116,-92.916 R32.2@25.116,-93.8 ; Q9.2@25,-91.9 25,-90.7 ; R36.2@30.316,-93.7 30.316,-92.816 30.2,-92.7 Q11.2@30.2,-91.9 30.2,-90.9 30,-90.7 25,-90.7 ; C11.1@36.75,-76.266 R18.2@38.5,-76.266 C10.1@40.5,-76.266 41.766,-76.266 42.3,-76.8 v1(52.7,-76.8) 52.7,-80 50.184,-82.516 R21.2@46,-82.516 ; MH3.1@48.5,1 MH3.1@50,2.5 ; 19.8,-90.7 25,-90.7
  Top Layer w0.6: R28.2@36.484,-31.25 35.85,-31.25 35.75,-31.35 35.75,-35.25 36.25,-35.75 38.25,-35.75 40.405,-37.905 U3.4@40.405,-39.294 41.044,-39.294 41.282,-39.532 C14.1@42.25,-39.532 ; C16.1@36.75,-43.75 R29.2@38.734,-43.75 40.734,-43.75 C15.1@40.75,-43.766 v1(42.234,-43.766) 43,-43 43,-41.336 42.25,-40.586 C14.1@42.25,-39.532 ; R19.2@36.868,-63.5 v1(36,-63.5) 35.5,-64 35.5,-67 36.5,-68 38.5,-68 40.405,-69.905 U2.4@40.405,-71.294 41.044,-71.294 41.266,-71.516 C9.1@42.25,-71.516 ; v1(40.1,-29) C13.1@41.384,-29 ; 52.429,-60.75 52.54,-60.75 ; 52.429,-36.5 49.3,-36.5 46.8,-39 43.5,-39 42.968,-39.532 C14.1@42.25,-39.532
  Top Layer w0.9: v1(11.7,-44.3) v1(14.2,-44.3) v1(16.7,-44.3) 19.29,-44.3 v1(19.295,-44.295) ; CN2.22@35.12,-6.7 35.12,-4.88 35.6,-4.4 41.5,-4.4 42.384,-5.284 R43.1@42.384,-7
  Top Layer w1: C18.1@-0.75,-116.991 -1.934,-116.991 C19.1@-2.75,-116.175 -2.75,-114.25 v1(1.75,-109.75) C20.2@4.429,-109.75 ; v1(20,-54) v1(25.5,-54) v1(31,-54) ; R36.2@30.316,-93.7 30.316,-104.216 31.1,-105 v1(31.75,-105) 38.5,-105 v1(39.8,-103.7) 41.196,-103.7 42.696,-102.2 44.397,-102.2 45.05,-102.2 v1(46.25,-101) R4.2@46.25,-99.766 ; v1(35.1,-23.55) 36.15,-22.5 R38.1@37.484,-22.5 ; 37.5,-93.75 37.5,-92.367 36.484,-91.351 R5.2@36.484,-91.25 v1(36.484,-90) v1(36.484,-89) v1(36.484,-86) v1(38.75,-83.734) ; R42.1@42.5,-16.8 43.216,-17.516 R41.1@43.216,-18.6 R40.1@43.216,-20.6 R39.1@43.216,-22.5 44.016,-23.3 52.429,-23.3 ; C22.1@44.25,-116.184 45.057,-116.991 C21.1@46.25,-116.991 ; 45.5,-117 v1(48.1,-117) ; C8.1@48.416,-59.3 52.329,-59.3 52.429,-59.4 ; v1(48.9,-117) v1(50.5,-117) v1(51.6,-117) v1(52.7,-117) 53.8,-117 53.8,-113.3 52.429,-111.929 C17.2@52.429,-109.7
  Top Layer w2: MH2.1@50,-7.5 50,-10.9 52.429,-13.329 C12.2@52.429,-15.2 v1(52.429,-18) 52.429,-23.3 v1(52.429,-30.95) 52.429,-36.5 v1(52.429,-37.5) C7.2@52.429,-40.6 52.429,-42.071 50,-44.5 MH7.1@50,-49.5 52.429,-51.929 52.429,-59.4 52.429,-60.75 C6.2@52.429,-66.5 52.429,-69.429 52.75,-69.75 SW2.M@52.75,-72.54
  Bottom Layer w0.9: v1(14.2,-44.3) 14.2,-41.755 CN1.GND@14.215,-41.74 ; v1(16.7,-44.3) 16.7,-41.795 CN1.GND@16.755,-41.74 ; v1(19.295,-44.295) CN1.GND@19.295,-41.74
  Bottom Layer w1: v1(1.1,-117) v1(5.7,-117) v1(48.1,-117) v1(48.9,-117) v1(50.5,-117) v1(51.6,-117) 51.8,-117 52.9,-115.9 52.9,-110.9 48.5,-106.5 46.4,-106.5 ; CN1.GND@11.675,-41.74 11.7,-41.765 v1(11.7,-44.3) 11.7,-46.9 12.6,-47.8 ; GND1.0@15.5,-47.6 12.8,-47.6 12.6,-47.8 ; D2.2@19.984,-52.1 19.984,-53.984 v1(20,-54) ; 24.3,-117 25,-116.3 24.75,-116.05 25.2,-115.6 v1(25.2,-95.3) 24.5,-95.3 24.45,-95.25 24.2,-95.5 18,-89.3 15.273,-89.3 9.3,-83.327 9.3,-75.7 12.6,-72.4 12.6,-47.8 ; D6.2@25.484,-52.1 25.484,-53.984 v1(25.5,-54) ; D5.2@30.984,-52.1 30.984,-53.984 v1(31,-54) ; v1(35.1,-23.55) 38.85,-23.55 40.1,-24.8 v1(40.1,-29) 40.1,-51.6 36,-55.7 v1(36,-63.5) ; v1@36.5,-86 v1(36.5,-87) v1(36.5,-88) 36.5,-102.6 40.4,-106.5 v1(45.25,-106.5) 46.4,-106.5 ; MH7.1@50,-49.5 50,-49.8 52.75,-52.55 SW2.M@52.75,-72.54 52.8,-72.59 52.7,-72.69 v1(52.7,-76.8) 52.7,-85.7 SW2.M@52.75,-85.75 50,-85.75 MH6.1@50,-91.5 50,-97.25 v1(46.25,-101) 46.25,-106.35 46.4,-106.5
  Bottom Layer w2: 12.3,2 12.32,1.98
  other v1: 7.5,-160.5 15.5,-160.5 23.5,-160.5 31.5,-160.5 39.5,-160.5 -0.5,-157.5 7.5,-157.5 15.5,-157.5 23.5,-157.5 31.5,-157.5 39.5,-157.5 47.5,-157.5 31.5,-146 0,-145.75 50,-145.75 24.75,-139.25 7.5,-135 15.5,-135 31.5,-135 23,-134.25 -2.5,-133 50,-132 -0.5,-127 7.5,-127 3.5,-118 4.6,-118 5.7,-118 50.5,-118 51.6,-118 52.7,-118 1.9,-117 3.5,-117 4.6,-117 3.5,-116 4.6,-116 5.7,-116 50.5,-116 51.6,-116 52.7,-116 28.5,-115 43,-111.5 49.75,-109.75 34.25,-109 38.25,-106.5 52.25,-106.5 49.75,-103.75 28,-103.5 -0.5,-102.5 7.5,-102.5 8.9,-99 28,-96.25 8.8,-95.7 6.5,-93.5 37.246,-92.139 12.6,-90.6 30.75,-89.25 20.6,-85.8 1.3,-85 32.3,-83.1 31.6,-74.8 46.5,-74.5 41.75,-72.75 1.75,-69 7.25,-69 12.25,-69 20,-69 25.5,-69 30.5,-69 38.5,-68.25 45.5,-64.75 1.8,-64.5 6.9,-61.66 20,-61.5 25.5,-61.5 30.5,-61.5 1.8,-59.42 35.9,-56.7 6.9,-56.58 44,-54.7 1.8,-54.34 40,-51.75 6.9,-51.5 37.2,-48.3 42.25,-48.25 1.82,-47.02 6.9,-44.48 47.5,-42.25 1.82,-41.94 29.21,-41.91 6.9,-39.4 1.82,-36.86 29.21,-36.83 38.5,-36.5 47.25,-36.25 6.9,-33.05 29.21,-31.75 37.2,-30 22.86,-29.845 0,-29.21 52.5,-24.25 45.5,-23.25 45.5,-18 1.7,-14.3 47,-13.5 6.75,-10 9,-0.5 17.25,-0.5 25.5,-0.5 33.75,-0.5 42,-0.5 9,4.5 17.25,4.5 25.5,4.5 33.75,4.5 42,4.5
LD1: CN1.1 CN2.13 | length 32.7
  Bottom Layer w0.4: CN1.1@24.375,-37.675 24.375,-36.66 24.4,-36.635 24.3,-36.535 24.3,-33.1 24.234,-33.1 19.96,-28.826 19.96,-24.981 20.686,-24.254 20.686,-23.311 21.373,-22.624 21.373,-21.681 22.059,-20.994 22.059,-20.051 22.5,-19.61 22.5,-17.906 22.5,-14.374 22.5,-12.386 23.906,-10.98 24.42,-10.98 24.96,-10.44 CN2.13@24.96,-9.24
LD2: CN1.2 CN2.11 | length 31.2
  Bottom Layer w0.4: CN1.2@21.835,-37.635 CN1.2@21.835,-36.66 ; CN1.2@21.9,-36.66 21.9,-32.463 18.76,-29.323 18.76,-24.484 19.486,-23.757 19.486,-22.814 20.173,-22.127 20.173,-21.184 20.859,-20.497 20.859,-19.554 21.3,-19.113 21.3,-17.409 21.3,-14.871 21.3,-11.889 22.42,-10.769 CN2.11@22.42,-9.24
LD3: CN1.3 CN2.9 | length 34.7
  Bottom Layer w0.4: CN1.3@19.295,-37.595 19.295,-36.66 19.3,-36.655 19.3,-31.56 17.56,-29.82 17.56,-28.86 11.95,-23.25 11.95,-19.533 19.88,-11.603 CN2.9@19.88,-9.24
LD4: CN1.4 CN2.7 | length 33
  Bottom Layer w0.4: CN1.4@16.755,-37.555 16.755,-36.66 16.7,-36.605 16.7,-28.849 11.35,-23.499 11.35,-19.285 17.34,-13.295 CN2.7@17.34,-9.24
LD5: CN1.5 CN2.5 | length 31.5
  Bottom Layer w0.4: CN1.5@14.215,-37.615 14.215,-36.66 14.2,-36.645 14.2,-34 14.2,-27.197 10.75,-23.747 10.75,-19.036 14.8,-14.986 CN2.5@14.8,-9.24
LD6: CN1.6 CN2.3 | length 29.9
  Bottom Layer w0.4: CN1.6@11.675,-37.575 11.675,-36.66 11.7,-36.635 11.7,-34 11.7,-25.546 10.15,-23.996 10.15,-18.788 12.26,-16.678 CN2.3@12.26,-9.24
LEDON: CN1.LEDON CN2.14 | length 39.5
  Bottom Layer w0.4: CN1.LEDON@24.5,-41.715 CN1.LEDON@24.475,-41.74 24.475,-40.775 23.2,-39.5 23.2,-32.914 19.36,-29.074 19.36,-24.732 20.086,-24.006 20.086,-23.062 20.773,-22.376 20.773,-21.432 21.459,-20.746 21.459,-19.802 21.9,-19.361 21.9,-17.657 21.9,-14.623 21.9,-12.137 23.7,-10.337 23.7,-7.96 CN2.14@24.96,-6.7
LIGHTS_FRONT: CN2.10 Q10.1 R33.1 | length 140.7
  Top Layer w0.4: v1(-2.5,-87.8) -2.4,-87.7 -2.4,-86.573 -2.7,-86.273 -2.7,-77.251 -1.94,-76.491 -1.94,-29.1 -2.2,-28.84 v1(-2.2,-27.5) ; v1(-1.71,-16.7) -1.71,-15.11 8.8,-4.6 17.78,-4.6 CN2.10@19.88,-6.7 ; v1(17.4,-94.7) 17.4,-94.284 R33.1@17.884,-93.8 17.884,-93.016 18,-92.9 Q10.1@18,-92
  Bottom Layer w0.4: v1(-2.5,-87.8) 1.5,-87.8 3.5,-89.8 3.5,-91.621 4.379,-92.5 7.559,-92.5 9.227,-90.832 9.973,-90.832 11.2,-92.059 11.2,-95.921 12.079,-96.8 14.449,-96.8 15.4,-95.849 15.4,-92.727 15.927,-92.2 16.7,-92.2 17.4,-92.9 v1(17.4,-94.7) ; v1(-2.2,-27.5) -2.154,-27.5 1.8,-23.546 1.8,-20.154 -0.514,-17.84 -1.197,-17.84 -1.71,-17.327 v1(-1.71,-16.7)
LIGHTS_REAR: CN2.8 Q9.1 R32.1 | length 151.7
  Top Layer w0.4: v1(-1.8,-85.9) -1.8,-77.2 -1.34,-76.74 -1.34,-28.24 v1(-0.9,-27.8) ; v1(0.3,-14.3) 9.3,-5.3 15.94,-5.3 CN2.8@17.34,-6.7 ; v1(13.5,-99.1) 17.616,-99.1 22.916,-93.8 23,-93.884 R32.1@23.084,-93.8 23.084,-93.016 23.2,-92.9 Q9.1@23.2,-92
  Bottom Layer w0.4: v1(-1.8,-85.9) -0.5,-87.2 1.749,-87.2 4.1,-89.551 4.1,-91.373 4.627,-91.9 7.311,-91.9 8.979,-90.232 10.221,-90.232 11.8,-91.811 11.8,-95.673 12.327,-96.2 14.2,-96.2 14.8,-95.6 14.8,-92.479 15.679,-91.6 16.949,-91.6 18.265,-92.917 18.265,-95.935 15.1,-99.1 v1(13.5,-99.1) ; v1(-0.9,-27.8) -0.9,-27.094 2.4,-23.794 2.4,-19.905 0.3,-17.805 v1(0.3,-14.3)
LIGHTS_TURN_LEFT: CN2.2 Q12.1 R37.1 | length 116.9
  Top Layer w0.3: v1@12.684,-95.284 v1(12.7,-95.3)
  Top Layer w0.4: v1@12.684,-95.284 R37.1@12.684,-93.9 12.684,-93.116 12.8,-93 Q12.1@12.8,-92.1
  Bottom Layer w0.4: CN2.2@9.72,-6.7 6.769,-6.7 -3.8,-17.269 -3.8,-18.881 -3.041,-19.64 -1.259,-19.64 0,-20.899 0,-22.681 -1.259,-23.94 -2.871,-23.94 -3.8,-24.869 -3.8,-71.851 -1.3,-74.351 -1.3,-84.279 0.421,-86 2.246,-86 5.6,-89.354 5.6,-90.4 6.5,-91.3 7.062,-91.3 8.73,-89.632 10.47,-89.632 12.7,-91.862 v1(12.7,-95.3)
LIGHTS_TURN_RIGHT: CN2.1 Q11.1 R36.1 | length 143
  Top Layer w0.4: v1(5,-91) 5,-92.1 4.3,-92.8 4.3,-99.4 4.8,-99.9 5.6,-99.9 7.6,-97.9 10.22,-97.9 12.82,-100.5 20.2,-100.5 22.8,-97.9 25.1,-97.9 28.284,-94.716 R36.1@28.284,-93.7 28.284,-92.916 28.4,-92.8 Q11.1@28.4,-91.9
  Bottom Layer w0.4: v1(5,-91) 5,-89.603 1.997,-86.6 0.173,-86.6 -1.9,-84.527 -1.9,-74.6 -4.4,-72.1 -4.4,-17.02 7.12,-5.5 10.3,-5.5 10.92,-6.12 10.92,-8.04 CN2.1@9.72,-9.24
NetBT1_2: BT1.2 BT2.2 BT2.4 BT3.1 R3.1 | length 171.8
  Top Layer w0.4: BT3.1@24.9,-22.02 30.12,-16.8 v1(31.9,-16.8) ; R3.1@44.25,-97.734 v1(44.25,-96.75)
  Top Layer w4: BT1.2@5.8,-21.77 BT1.2@5.8,-18.9 BT2.2@5.8,-13.38 BT2.4@24.9,-13.38 BT3.1@24.9,-22.02
  Bottom Layer w0.4: v1(31.9,-16.8) 31.9,-18 33.2,-19.3 33.2,-20.3 34.1,-21.2 34.1,-24 36.4,-26.3 36.4,-54.027 35.1,-55.327 35.1,-70.2 41.7,-76.8 43.8,-76.8 45.3,-78.3 45.3,-89 43.5,-90.8 43.5,-91.8 44.25,-92.55 v1(44.25,-96.75)
  Bottom Layer w4: BT1.2@3.26,-26.52 6.1,-26.52 ; BT2.2@5.8,-13.38 BT1.2@5.8,-18.9 5.8,-26.22 6.1,-26.52 ; BT1.2@8.34,-26.52 6.1,-26.52 ; BT3.1@22.36,-26.52 24.6,-26.52 ; BT2.4@24.9,-13.38 BT3.1@24.9,-18.9 24.9,-26.22 24.6,-26.52 ; BT3.1@27.44,-26.52 24.6,-26.52